# KiCad board NF-Grundplatte.kicad_pcb
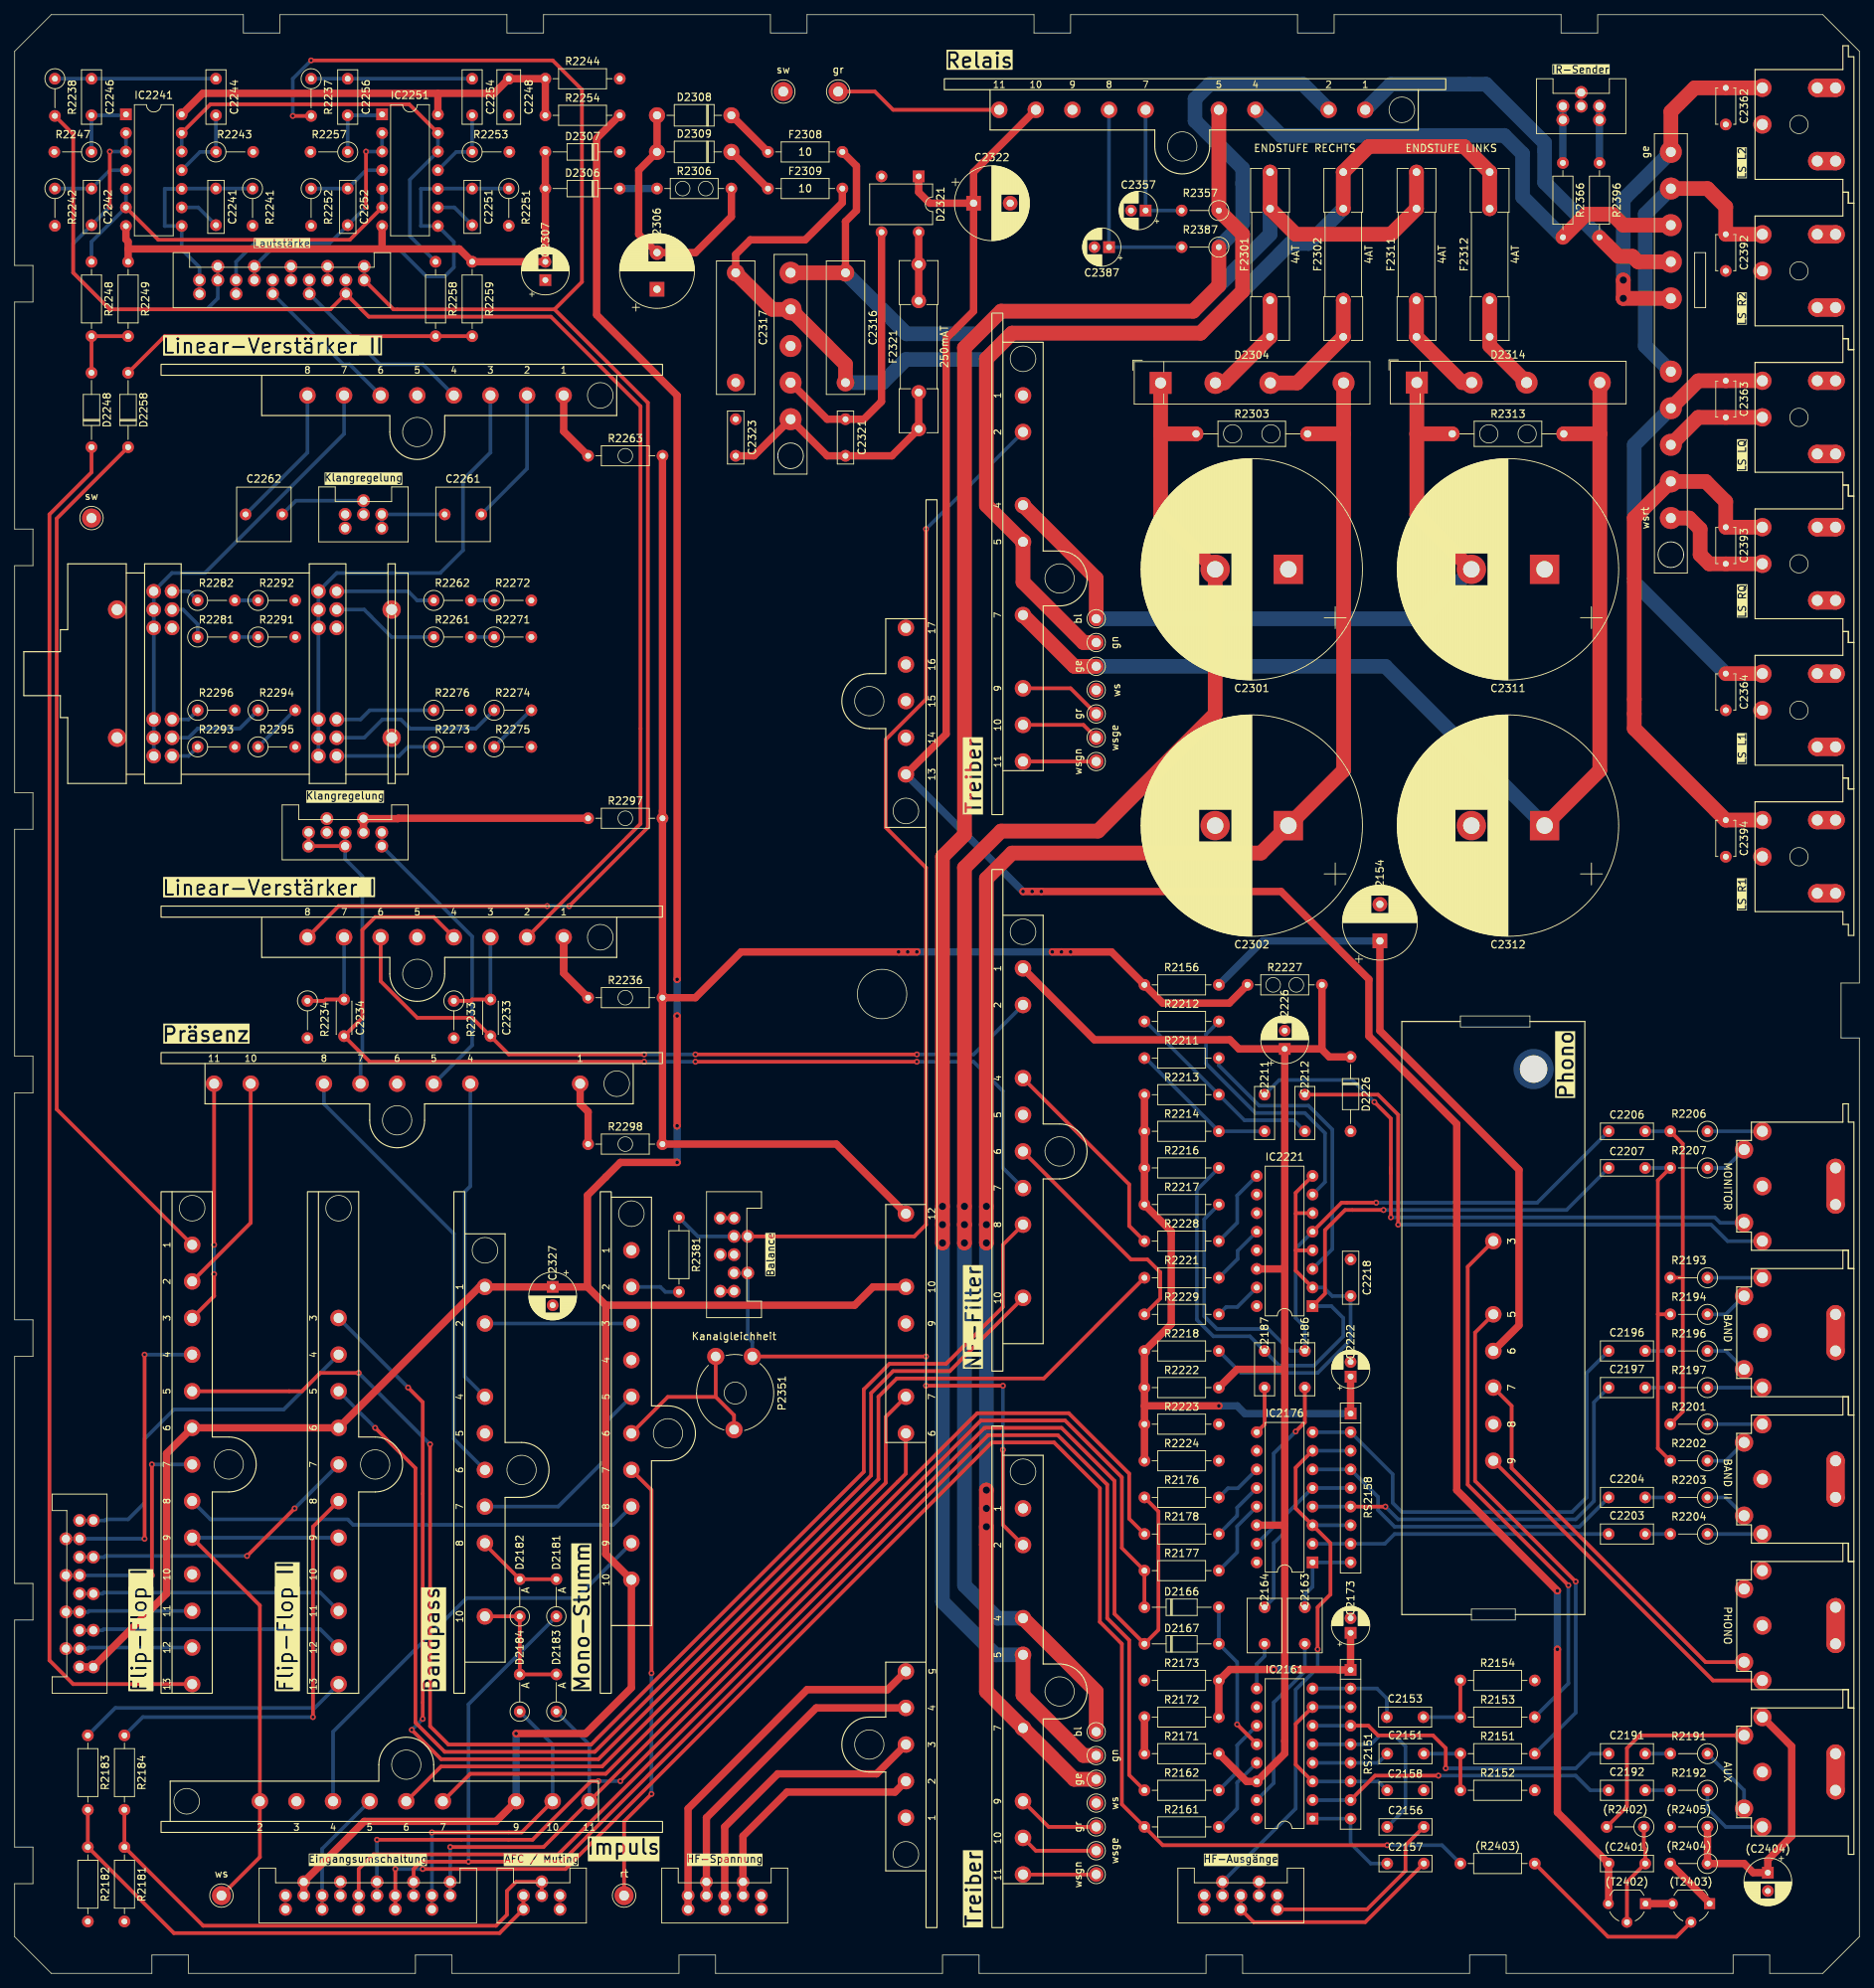
[diagram p0: board, top side]
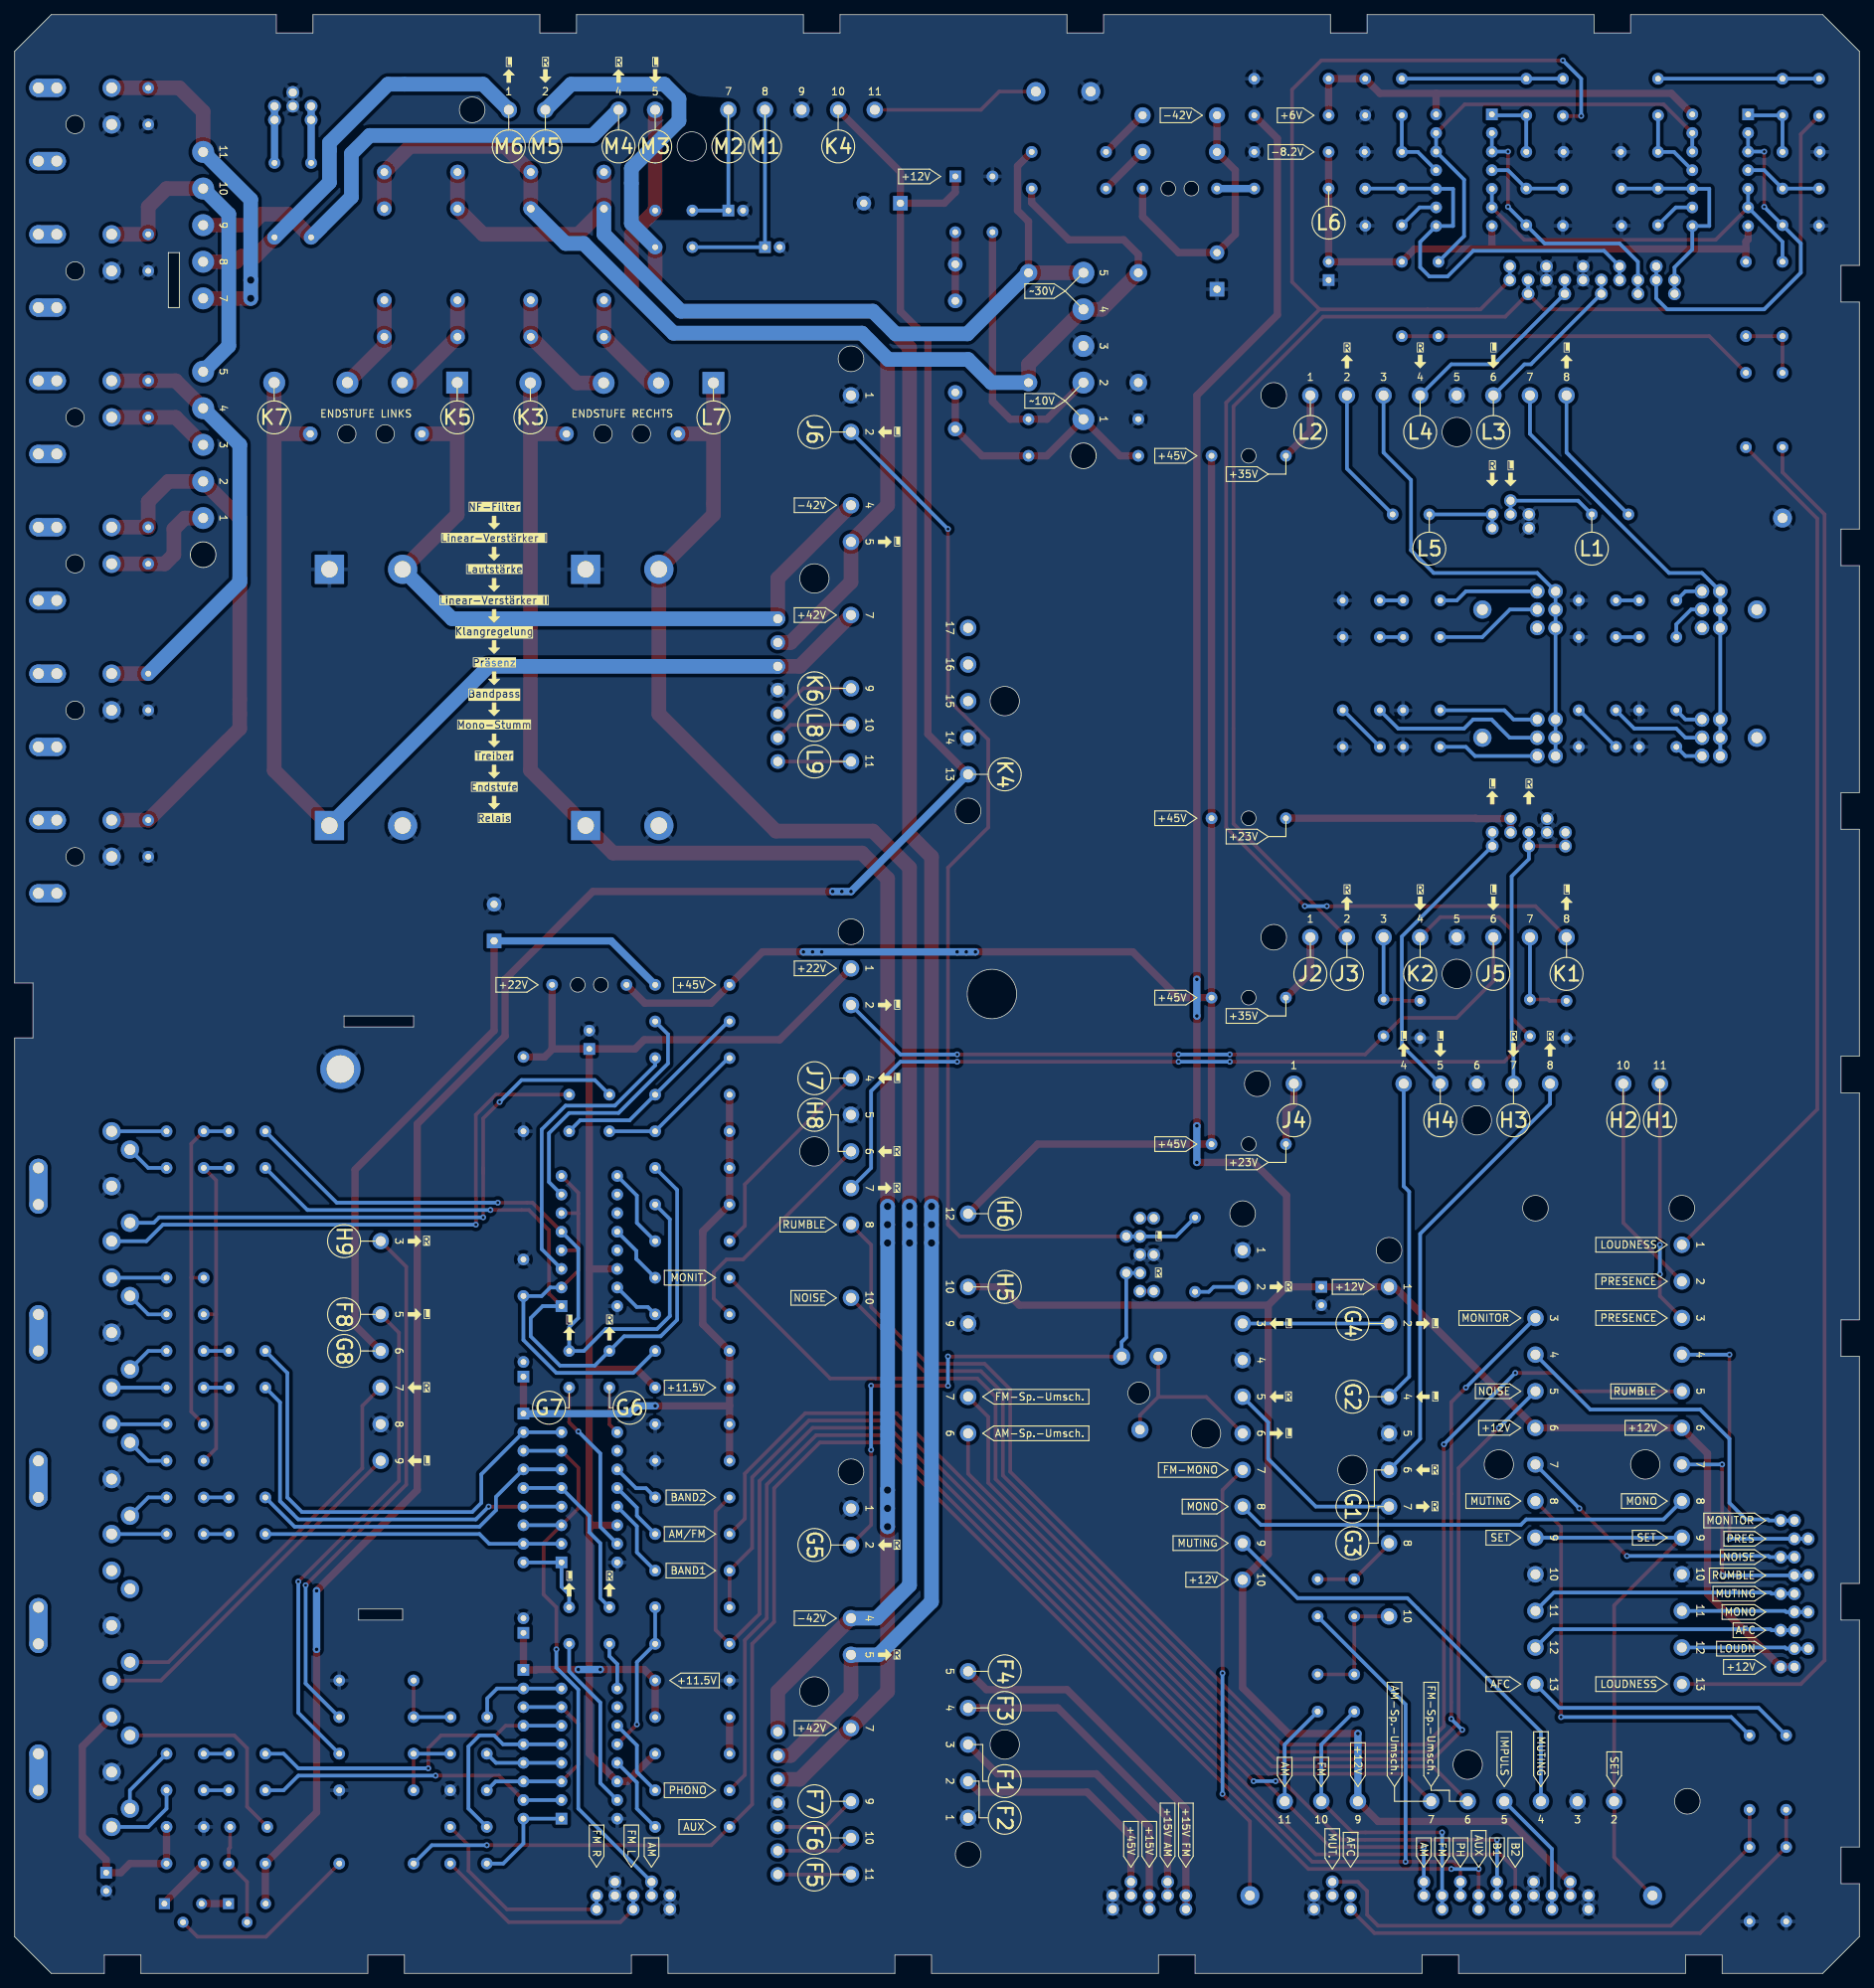
[diagram p1: board, bottom side, seen from below]

Outline 252 x 267.5 mm; copper layers: Top, Bottom. Coordinates in mm from the lower left corner of the outline.
Outline path: circle c83.42,207.25 r1 ; circle c83.42,157.75 r1 ; circle c83.42,133.25 r1 ; circle c83.42,113.25 r1 ; circle c91.25,243.75 r1 ; circle c94.41,243.75 r1 ; circle c98.42,79.25 r1.5 ; circle c118.5,133.75 r3.38 ; circle c166.38,210.25 r1.25 ; circle c171.62,210.25 r1.25 ; circle c171.92,135 r1 ; circle c175.08,135 r1 ; circle c201.38,210.25 r1.25 ; circle c206.62,210.25 r1.25 ; 0,262.5 0,233.25 2.5,233.25 2.5,228.25 0,228.25 0,197.25 2.5,197.25 2.5,192.25 0,192.25 0,161.25 2.5,161.25 2.5,156.25 0,156.25 0,125.25 2.5,125.25 2.5,120.25 0,120.25 0,89.25 2.5,89.25 2.5,84.25 0,84.25 0,53.25 2.5,53.25 2.5,48.25 0,48.25 0,17.25 2.5,17.25 2.5,12.25 0,12.25 0,5 5,0 18.75,0 18.75,2.5 23.75,2.5 23.75,0 54.75,0 54.75,2.5 59.75,2.5 59.75,0 90.75,0 90.75,2.5 95.75,2.5 95.75,0 126.75,0 126.75,2.5 131.75,2.5 131.75,0 162.75,0 162.75,2.5 167.75,2.5 167.75,0 198.75,0 198.75,2.5 203.75,2.5 203.75,0 234.75,0 234.75,2.5 239.75,2.5 239.75,0 247,0 252,5 252,127.75 249.5,127.75 249.5,135.25 252,135.25 252,262.5 247,267.5 216.25,267.5 216.25,265 211.25,265 211.25,267.5 180.25,267.5 180.25,265 175.25,265 175.25,267.5 144.25,267.5 144.25,265 139.25,265 139.25,267.5 108.25,267.5 108.25,265 103.25,265 103.25,267.5 72.25,267.5 72.25,265 67.25,265 67.25,267.5 36.25,267.5 36.25,265 31.25,265 31.25,267.5 5,267.5 0,262.5

## Placement (name value [footprint] x y rotation side)
C2151  330n  [C_Rect_L7.0mm_W2.5mm_P5.00mm]  187.5 30 0 top
C2153  330n  [C_Rect_L7.0mm_W2.5mm_P5.00mm]  187.45 35 0 top
C2154  220µ  [CP_Radial_D10.0mm_P5.00mm]  186.5 141 90 top
C2156  100n  [C_Rect_L7.0mm_W2.0mm_P5.00mm]  187.5 20 0 top
C2157  100n  [C_Rect_L7.0mm_W2.0mm_P5.00mm]  187.5 15 0 top
C2158  100n  [C_Rect_L7.0mm_W2.0mm_P5.00mm]  187.5 25 0 top
C2163  1µ  [C_Rect_L7.2mm_W4.5mm_P5.00mm_FKS2_FKP2_MKS2_MKP2]  176.25 45 90 top
C2164  1µ  [C_Rect_L7.2mm_W4.5mm_P5.00mm_FKS2_FKP2_MKS2_MKP2]  170.75 45 90 top
C2173  10µ  [CP_Radial_D5.0mm_P2.00mm]  182.5 46.5 90 top
C2186  330n  [C_Rect_L7.0mm_W2.5mm_P5.00mm]  176.25 80 90 top
C2187  330n  [C_Rect_L7.0mm_W2.5mm_P5.00mm]  170.75 80 90 top
C2191  330n  [C_Rect_L7.0mm_W2.5mm_P5.00mm]  222.75 30 180 top
C2192  330n  [C_Rect_L7.0mm_W2.5mm_P5.00mm]  222.75 25 180 top
C2196  330n  [C_Rect_L7.0mm_W2.5mm_P5.00mm]  222.75 85 180 top
C2197  330n  [C_Rect_L7.0mm_W2.5mm_P5.00mm]  222.75 80 180 top
C2203  330n  [C_Rect_L7.0mm_W2.5mm_P5.00mm]  222.75 60 180 top
C2204  330n  [C_Rect_L7.0mm_W2.5mm_P5.00mm]  222.75 65 180 top
C2206  100n  [C_Rect_L7.0mm_W2.0mm_P5.00mm]  222.75 115 180 top
C2207  100n  [C_Rect_L7.0mm_W2.0mm_P5.00mm]  222.75 110 180 top
C2211  330n  [C_Rect_L7.0mm_W2.5mm_P5.00mm]  170.75 120 270 top
C2212  330n  [C_Rect_L7.0mm_W2.5mm_P5.00mm]  176.25 120 270 top
C2218  100n  [C_Rect_L7.0mm_W2.0mm_P5.00mm]  182.5 92.5 90 top
C2222  22µ  [CP_Radial_D5.0mm_P2.00mm]  182.5 81.5 90 top
C2226  47µ  [CP_Radial_D6.3mm_P2.50mm]  173.5 126.25 90 top
C2233  10p  [C_Disc_D4.3mm_W1.9mm_P5.00mm]  65 128 90 top
C2234  10p  [C_Disc_D4.3mm_W1.9mm_P5.00mm]  45 128 90 top
C2241  47n  [C_Rect_L7.0mm_W2.0mm_P5.00mm]  27.5 238.75 90 top
C2242  100n  [C_Rect_L7.0mm_W2.0mm_P5.00mm]  10.5 238.75 90 top
C2244  470p  [C_Rect_L7.2mm_W2.5mm_P5.00mm_FKS2_FKP2_MKS2_MKP2]  27.5 258.75 270 top
C2246  100p  [C_Rect_L7.2mm_W2.5mm_P5.00mm_FKS2_FKP2_MKS2_MKP2]  10.5 258.75 270 top
C2248  220n  [C_Rect_L7.2mm_W3.0mm_P5.00mm_FKS2_FKP2_MKS2_MKP2]  67.5 258.75 270 top
C2251  47n  [C_Rect_L7.0mm_W2.0mm_P5.00mm]  62.5 238.75 90 top
C2252  100n  [C_Rect_L7.0mm_W2.0mm_P5.00mm]  45.5 238.75 90 top
C2254  470p  [C_Rect_L7.2mm_W2.5mm_P5.00mm_FKS2_FKP2_MKS2_MKP2]  62.5 258.75 270 top
C2256  100p  [C_Rect_L7.2mm_W2.5mm_P5.00mm_FKS2_FKP2_MKS2_MKP2]  45.5 258.75 270 top
C2261  2.2µ  [C_Rect_L7.2mm_W7.2mm_P5.00mm_FKS2_FKP2_MKS2_MKP2]  58.75 199.25 0 top
C2262  2.2µ  [C_Rect_L7.2mm_W7.2mm_P5.00mm_FKS2_FKP2_MKS2_MKP2]  36.55 199.25 180 top
C2301  3300µ  [CP_Radial_D30.0mm_P10.00mm_SnapIn]  174 191.75 180 top
C2302  3300µ  [CP_Radial_D30.0mm_P10.00mm_SnapIn]  174 156.75 180 top
C2306  100µ  [CP_Radial_D10.0mm_P5.00mm]  87.75 230 90 top
C2307  47µ  [CP_Radial_D6.3mm_P2.50mm]  72.5 231.25 90 top
C2311  3300µ  [CP_Radial_D30.0mm_P10.00mm_SnapIn]  209 191.75 180 top
C2312  3300µ  [CP_Radial_D30.0mm_P10.00mm_SnapIn]  209 156.75 180 top
C2316  330n  [C_Rect_L18.0mm_W5.0mm_P15.00mm_FKS3_FKP3]  113.5 217.25 90 top
C2317  330n  [C_Rect_L18.0mm_W5.0mm_P15.00mm_FKS3_FKP3]  98.5 232.25 270 top
C2321  100n  [C_Rect_L7.0mm_W2.0mm_P5.00mm]  113.5 207.25 90 top
C2322  470µ  [CP_Radial_D10.0mm_P5.00mm]  131 241.75 0 top
C2323  100n  [C_Rect_L7.0mm_W2.0mm_P5.00mm]  98.5 207.25 90 top
C2327  100µ  [CP_Radial_D6.3mm_P2.50mm]  73.5 93.75 270 top
C2357  22µ  [CP_Radial_D5.0mm_P2.00mm]  154.5 240.75 180 top
C2362  220p  [C_Disc_D4.7mm_W2.5mm_P5.00mm]  233.75 257.5 270 top
C2363  220p  [C_Disc_D4.7mm_W2.5mm_P5.00mm]  233.75 217.5 270 top
C2364  220p  [C_Disc_D4.7mm_W2.5mm_P5.00mm]  233.75 177.5 270 top
C2387  22µ  [CP_Radial_D5.0mm_P2.00mm]  149.5 235.75 180 top
C2392  220p  [C_Disc_D4.7mm_W2.5mm_P5.00mm]  233.75 237.5 270 top
C2393  220p  [C_Disc_D4.7mm_W2.5mm_P5.00mm]  233.75 197.5 270 top
C2394  220p  [C_Disc_D4.7mm_W2.5mm_P5.00mm]  233.75 157.5 270 top
C2401  100n  [C_Rect_L7.0mm_W2.0mm_P5.00mm]  217.75 15 0 top
C2404  100µ  [CP_Radial_D6.3mm_P2.50mm]  239.5 13.75 270 top
D2166  1N4148  [D_DO-35_SOD27_P10.16mm_Horizontal]  154.34 50 0 top
D2167  1N4148  [D_DO-35_SOD27_P10.16mm_Horizontal]  154.34 45 0 top
D2181  1N4148  [D_DO-35_SOD27_P5.08mm_Vertical_AnodeUp]  74 48.75 90 top
D2182  1N4148  [D_DO-35_SOD27_P5.08mm_Vertical_AnodeUp]  69 48.75 90 top
D2183  1N4148  [D_DO-35_SOD27_P5.08mm_Vertical_AnodeUp]  74 35.75 90 top
D2184  1N4148  [D_DO-35_SOD27_P5.08mm_Vertical_AnodeUp]  69 35.75 90 top
D2226  ZPD22  [D_DO-35_SOD27_P10.16mm_Horizontal]  182.5 125.16 270 top
D2248  ZPD6.2V  [D_DO-35_SOD27_P10.16mm_Horizontal]  10.5 208.43 90 top
D2258  ZPD6.2V  [D_DO-35_SOD27_P10.16mm_Horizontal]  15.5 208.43 90 top
D2304  B80C5000-3x00A  [Diode_Bridge_32.0x5.6x17.0mm_P10.0mm_P7.5mm]  156.54 217.21 0 top
D2306  1N4148  [D_DO-35_SOD27_P10.16mm_Horizontal]  82.66 243.75 180 top
D2307  ZPD8.2  [D_DO-35_SOD27_P10.16mm_Horizontal]  82.66 248.75 180 top
D2308  1N4002  [D_DO-41_SOD81_P10.16mm_Horizontal]  97.91 253.75 180 top
D2309  1N4002  [D_DO-41_SOD81_P10.16mm_Horizontal]  97.91 248.75 180 top
D2314  B80C5000-3x00A  [Diode_Bridge_32.0x5.6x17.0mm_P10.0mm_P7.5mm]  191.54 217.25 0 top
D2321  B125C800DM  [Diode_Bridge_DIP-4_W7.62mm_P5.08mm]  123.5 245.41 270 top
F2301  4AT  [Fuseholder_Clip-5x20mm]  171.5 244.75 270 top
F2302  4AT  [Fuseholder_Clip-5x20mm]  181.5 224.75 90 top
F2308  10  [R_Axial_DIN0207_L6.3mm_D2.5mm_P10.16mm_Horizontal]  113.07 248.75 180 top
F2309  10  [R_Axial_DIN0207_L6.3mm_D2.5mm_P10.16mm_Horizontal]  113.07 243.75 180 top
F2311  4AT  [Fuseholder_Clip-5x20mm]  191.5 244.75 270 top
F2312  4AT  [Fuseholder_Clip-5x20mm]  201.5 224.75 90 top
F2321  250mAT  [Fuseholder_Clip-5x20mm]  123.5 232.16 270 top
IC2161  ~  [DIP-16_W7.62mm]  177.3 21.12 180 top
IC2176  ~  [DIP-16_W7.62mm]  177.3 56.12 180 top
IC2221  ~  [DIP-16_W7.62mm]  177.3 91.12 180 top
IC2241  4016  [DIP-14_W7.62mm]  15.2 253.88 0 top
IC2251  4016  [DIP-14_W7.62mm]  50.2 253.88 0 top
J1  Linear-Verstärker II  [Linear-Verstärker]  20 219.75 0 top
J2  Treiber L  [Treiber]  133.5 158.25 90 top
J3  -  [Flip-Flop]  20 38.25 90 top
J4  Treiber R  [Treiber]  133.5 6.25 90 top
J5  -  [NF-Filter]  133.5 82.25 90 top
J6  -  [Relais]  127 258.75 0 top
J7  Linear-Verstärker I  [Linear-Verstärker]  20 145.75 0 top
J8  -  [Präsenz]  20 125.75 0 top
J9  -  [Impuls]  88.5 19.25 180 top
J10  -  [Mono-Stumm]  80 38.25 90 top
J11  -  [Bandpass]  60 38.25 90 top
J12  Flip-Flop  [Flip-Flop#2]  40 38.25 90 top
J13  Conn_01x03  [STOCKO-MKS-1653_1753]  50.15 199.25 180 top
J14  Conn_01x03  [STOCKO-MKS-1653_1753]  216.5 255 180 top
J15  Conn_01x03  [STOCKO-MKS-1653_1753]  74.5 10.62 180 top
J16  Conn_01x10  [STOCKO-MKS-1660_1760]  59.5 10.62 180 top
J17  Conn_01x05  [STOCKO-MKS-1655_1755]  102 10.62 180 top
J18  Conn_01x01  [Pin_D1.3mm_L11.0mm]  112.5 257 0 top
J19  Conn_01x05  [STOCKO-MKS-1655_1755]  98.28 93.15 90 top
J20  Conn_01x05  [STOCKO-MKS-1655_1755]  50.15 155.82 180 top
J21  Conn_01x09  [STOCKO-MKS-1659_1759]  8.88 61.85 270 top
J22  Conn_01x10  [STOCKO-MKS-1660_1760]  47.75 231.25 180 top
J23  Conn_01x05  [Conn_01x05_5mm]  106 212.25 90 top
J24  Conn_01x11  [Conn_01x11_5mm]  226.25 198.75 90 top
J25  -  [Phono]  214.5 130 270 top
J26  MONITOR  [Source_DIN-41524]  238.75 112.5 270 top
J27  BAND I  [Source_DIN-41524]  238.75 92.5 270 top
J28  BAND II  [Source_DIN-41524]  238.75 72.5 270 top
J29  PHONO  [Source_DIN-41524]  238.75 52.5 270 top
J30  AUX  [Source_DIN-41524]  238.75 32.5 270 top
J31  -  [Netzteil]  126 201.25 270 top
J32  Conn_01x01  [Pin_D1.3mm_L11.0mm]  83.25 10.62 0 top
J33  Conn_01x01  [Pin_D1.0mm_L10.0mm]  147.75 181.75 180 top
J34  Conn_01x01  [Pin_D1.0mm_L10.0mm]  147.75 165.5 180 top
J35  Conn_01x01  [Pin_D1.0mm_L10.0mm]  147.75 172 180 top
J36  Conn_01x01  [Pin_D1.0mm_L10.0mm]  147.75 168.75 180 top
J37  Conn_01x01  [Pin_D1.0mm_L10.0mm]  147.75 175.25 180 top
J38  Conn_01x01  [Pin_D1.0mm_L10.0mm]  147.75 178.5 180 top
J39  Conn_01x01  [Pin_D1.0mm_L10.0mm]  147.75 185 180 top
J40  Conn_01x01  [Pin_D1.0mm_L10.0mm]  147.75 13.5 0 top
J41  Conn_01x01  [Pin_D1.0mm_L10.0mm]  147.75 20 0 top
J42  Conn_01x01  [Pin_D1.0mm_L10.0mm]  147.75 16.75 0 top
J43  Conn_01x01  [Pin_D1.0mm_L10.0mm]  147.75 29.75 0 top
J44  Conn_01x01  [Pin_D1.0mm_L10.0mm]  147.75 26.5 0 top
J45  Conn_01x01  [Pin_D1.0mm_L10.0mm]  147.75 23.25 0 top
J46  Conn_01x01  [Pin_D1.0mm_L10.0mm]  147.75 33 0 top
J47  Conn_01x01  [Pin_D1.3mm_L11.0mm]  28.25 10.62 0 top
J48  Conn_01x01  [Pin_D1.3mm_L11.0mm]  10.5 198.75 0 top
J49  Conn_01x01  [Pin_D1.3mm_L11.0mm]  105 257 0 top
LS1  Links 2  [Speaker_DIN-41529_730311]  238.75 257.5 270 top
LS2  Rechts 2  [Speaker_DIN-41529_730311]  238.75 237.5 270 top
LS3  Quadro Links  [Speaker_DIN-41529_730311]  238.75 217.5 270 top
LS4  Quadro Rechts  [Speaker_DIN-41529_730311]  238.75 197.5 270 top
LS5  Links 1  [Speaker_DIN-41529_730311]  238.75 177.5 270 top
LS6  Rechts 1  [Speaker_DIN-41529_730311]  238.75 157.5 270 top
NOREF  -  [0dc2f033-525d-41ae-9787-ae3243d4dfcd]  50 138.75 0 top
NOREF#2  -  [0dc2f033-525d-41ae-9787-ae3243d4dfcd]  75 212.75 0 top
NOREF#3  -  [0dc2f033-525d-41ae-9787-ae3243d4dfcd]  60 138.75 0 top
NOREF#4  -  [0dc2f033-525d-41ae-9787-ae3243d4dfcd]  58.75 196.82 0 top
NOREF#5  -  [0dc2f033-525d-41ae-9787-ae3243d4dfcd]  40 138.75 0 top
NOREF#6  -  [0dc2f033-525d-41ae-9787-ae3243d4dfcd]  139.5 251.75 0 top
NOREF#7  -  [0dc2f033-525d-41ae-9787-ae3243d4dfcd]  216.54 214.75 0 top
NOREF#8  -  [0dc2f033-525d-41ae-9787-ae3243d4dfcd]  60 212.75 0 top
NOREF#9  -  [0dc2f033-525d-41ae-9787-ae3243d4dfcd]  75 138.75 0 top
NOREF#10  -  [0dc2f033-525d-41ae-9787-ae3243d4dfcd]  70 138.75 0 top
NOREF#11  -  [0dc2f033-525d-41ae-9787-ae3243d4dfcd]  191.54 214.75 0 top
NOREF#12  -  [0dc2f033-525d-41ae-9787-ae3243d4dfcd]  181.54 214.75 0 top
NOREF#13  -  [0dc2f033-525d-41ae-9787-ae3243d4dfcd]  156.54 214.75 0 top
NOREF#14  -  [0dc2f033-525d-41ae-9787-ae3243d4dfcd]  50 212.75 0 top
NOREF#15  -  [0dc2f033-525d-41ae-9787-ae3243d4dfcd]  36.55 196.82 0 top
NOREF#16  -  [0dc2f033-525d-41ae-9787-ae3243d4dfcd]  72.5 241.35 0 top
P2351  25k  [Potentiometer_Piher_PT-10-V10_Vertical]  95.78 84.25 270 top
R2151  33k  [R_Axial_DIN0207_L6.3mm_D2.5mm_P10.16mm_Horizontal]  207.66 30 180 top
R2152  100k  [R_Axial_DIN0207_L6.3mm_D2.5mm_P10.16mm_Horizontal]  197.5 25 0 top
R2153  33k  [R_Axial_DIN0207_L6.3mm_D2.5mm_P10.16mm_Horizontal]  207.66 35 180 top
R2154  100k  [R_Axial_DIN0207_L6.3mm_D2.5mm_P10.16mm_Horizontal]  197.5 40 0 top
R2156  5.6k  [R_Axial_DIN0207_L6.3mm_D2.5mm_P10.16mm_Horizontal]  154.34 135 0 top
R2161  3.3k  [R_Axial_DIN0207_L6.3mm_D2.5mm_P10.16mm_Horizontal]  164.5 20 180 top
R2162  3.3k  [R_Axial_DIN0207_L6.3mm_D2.5mm_P10.16mm_Horizontal]  164.5 25 180 top
R2171  8.2k  [R_Axial_DIN0207_L6.3mm_D2.5mm_P10.16mm_Horizontal]  154.34 30 0 top
R2172  1k  [R_Axial_DIN0207_L6.3mm_D2.5mm_P10.16mm_Horizontal]  154.34 35 0 top
R2173  10k  [R_Axial_DIN0207_L6.3mm_D2.5mm_P10.16mm_Horizontal]  164.5 40 180 top
R2176  3.3k  [R_Axial_DIN0207_L6.3mm_D2.5mm_P10.16mm_Horizontal]  164.5 65 180 top
R2177  3.3k  [R_Axial_DIN0207_L6.3mm_D2.5mm_P10.16mm_Horizontal]  164.5 55 180 top
R2178  3.3k  [R_Axial_DIN0207_L6.3mm_D2.5mm_P10.16mm_Horizontal]  164.5 60 180 top
R2181  10k  [R_Axial_DIN0207_L6.3mm_D2.5mm_P10.16mm_Horizontal]  15 17.25 270 top
R2182  10k  [R_Axial_DIN0207_L6.3mm_D2.5mm_P10.16mm_Horizontal]  10 17.25 270 top
R2183  10k  [R_Axial_DIN0207_L6.3mm_D2.5mm_P10.16mm_Horizontal]  10 32.5 270 top
R2184  10k  [R_Axial_DIN0207_L6.3mm_D2.5mm_P10.16mm_Horizontal]  15 32.5 270 top
R2191  5.6k  [R_Axial_DIN0207_L6.3mm_D2.5mm_P5.08mm_Vertical]  231.25 30 180 top
R2192  5.6k  [R_Axial_DIN0207_L6.3mm_D2.5mm_P5.08mm_Vertical]  231.25 25 180 top
R2193  330k  [R_Axial_DIN0207_L6.3mm_D2.5mm_P5.08mm_Vertical]  231.25 95 180 top
R2194  330k  [R_Axial_DIN0207_L6.3mm_D2.5mm_P5.08mm_Vertical]  231.25 90 180 top
R2196  5.6k  [R_Axial_DIN0207_L6.3mm_D2.5mm_P5.08mm_Vertical]  231.25 85 180 top
R2197  5.6k  [R_Axial_DIN0207_L6.3mm_D2.5mm_P5.08mm_Vertical]  231.25 80 180 top
R2201  330k  [R_Axial_DIN0207_L6.3mm_D2.5mm_P5.08mm_Vertical]  231.25 75 180 top
R2202  330k  [R_Axial_DIN0207_L6.3mm_D2.5mm_P5.08mm_Vertical]  231.25 70 180 top
R2203  5.6k  [R_Axial_DIN0207_L6.3mm_D2.5mm_P5.08mm_Vertical]  231.25 65 180 top
R2204  5.6k  [R_Axial_DIN0207_L6.3mm_D2.5mm_P5.08mm_Vertical]  231.25 60 180 top
R2206  47k  [R_Axial_DIN0207_L6.3mm_D2.5mm_P5.08mm_Vertical]  231.25 115 180 top
R2207  47k  [R_Axial_DIN0207_L6.3mm_D2.5mm_P5.08mm_Vertical]  231.25 110 180 top
R2211  5.6k  [R_Axial_DIN0207_L6.3mm_D2.5mm_P10.16mm_Horizontal]  154.34 125 0 top
R2212  5.6k  [R_Axial_DIN0207_L6.3mm_D2.5mm_P10.16mm_Horizontal]  154.34 130 0 top
R2213  470k  [R_Axial_DIN0207_L6.3mm_D2.5mm_P10.16mm_Horizontal]  154.34 120 0 top
R2214  470k  [R_Axial_DIN0207_L6.3mm_D2.5mm_P10.16mm_Horizontal]  154.34 115 0 top
R2216  470k  [R_Axial_DIN0207_L6.3mm_D2.5mm_P10.16mm_Horizontal]  154.34 110 0 top
R2217  470k  [R_Axial_DIN0207_L6.3mm_D2.5mm_P10.16mm_Horizontal]  154.34 105 0 top
R2218  120k  [R_Axial_DIN0207_L6.3mm_D2.5mm_P10.16mm_Horizontal]  154.34 85 0 top
R2221  3.3k  [R_Axial_DIN0207_L6.3mm_D2.5mm_P10.16mm_Horizontal]  164.5 95 180 top
R2222  10k  [R_Axial_DIN0207_L6.3mm_D2.5mm_P10.16mm_Horizontal]  164.5 80 180 top
R2223  22k  [R_Axial_DIN0207_L6.3mm_D2.5mm_P10.16mm_Horizontal]  154.34 75 0 top
R2224  22k  [R_Axial_DIN0207_L6.3mm_D2.5mm_P10.16mm_Horizontal]  154.34 70 0 top
R2227  1.5k  [R_Axial_DIN0207_L6.3mm_D2.5mm_P10.16mm_Horizontal]  168.42 135 0 top
R2228  1k  [R_Axial_DIN0207_L6.3mm_D2.5mm_P10.16mm_Horizontal]  164.5 100 180 top
R2229  1k  [R_Axial_DIN0207_L6.3mm_D2.5mm_P10.16mm_Horizontal]  164.5 90 180 top
R2233  15k  [R_Axial_DIN0207_L6.3mm_D2.5mm_P5.08mm_Vertical]  60 132.81 270 top
R2234  15k  [R_Axial_DIN0207_L6.3mm_D2.5mm_P5.08mm_Vertical]  40 132.81 270 top
R2236  1k  [R_Axial_DIN0207_L6.3mm_D2.5mm_P10.16mm_Horizontal]  88.5 133.25 180 top
R2237  47k  [R_Axial_DIN0207_L6.3mm_D2.5mm_P5.08mm_Vertical]  40.5 258.75 270 top
R2238  47k  [R_Axial_DIN0207_L6.3mm_D2.5mm_P5.08mm_Vertical]  5.5 258.75 270 top
R2241  12k  [R_Axial_DIN0207_L6.3mm_D2.5mm_P5.08mm_Vertical]  32.5 243.75 270 top
R2242  6.8k  [R_Axial_DIN0207_L6.3mm_D2.5mm_P5.08mm_Vertical]  5.5 243.75 270 top
R2243  220k  [R_Axial_DIN0207_L6.3mm_D2.5mm_P5.08mm_Vertical]  27.5 248.75 0 top
R2244  2.2k  [R_Axial_DIN0207_L6.3mm_D2.5mm_P10.16mm_Horizontal]  72.5 258.75 0 top
R2247  220k  [R_Axial_DIN0207_L6.3mm_D2.5mm_P5.08mm_Vertical]  10.5 248.75 180 top
R2248  1k  [R_Axial_DIN0207_L6.3mm_D2.5mm_P10.16mm_Horizontal]  10.5 233.75 270 top
R2249  47k  [R_Axial_DIN0207_L6.3mm_D2.5mm_P10.16mm_Horizontal]  15.5 233.75 270 top
R2251  12k  [R_Axial_DIN0207_L6.3mm_D2.5mm_P5.08mm_Vertical]  67.5 243.75 270 top
R2252  6.8k  [R_Axial_DIN0207_L6.3mm_D2.5mm_P5.08mm_Vertical]  40.5 243.75 270 top
R2253  220k  [R_Axial_DIN0207_L6.3mm_D2.5mm_P5.08mm_Vertical]  62.5 248.75 0 top
R2254  2.2k  [R_Axial_DIN0207_L6.3mm_D2.5mm_P10.16mm_Horizontal]  82.66 253.75 180 top
R2257  220k  [R_Axial_DIN0207_L6.3mm_D2.5mm_P5.08mm_Vertical]  45.5 248.75 180 top
R2258  1k  [R_Axial_DIN0207_L6.3mm_D2.5mm_P10.16mm_Horizontal]  57.5 233.75 270 top
R2259  47k  [R_Axial_DIN0207_L6.3mm_D2.5mm_P10.16mm_Horizontal]  62.5 233.75 270 top
R2261  1.8k  [R_Axial_DIN0207_L6.3mm_D2.5mm_P5.08mm_Vertical]  57.25 182.5 0 top
R2262  1k  [R_Axial_DIN0207_L6.3mm_D2.5mm_P5.08mm_Vertical]  57.25 187.5 0 top
R2263  1k  [R_Axial_DIN0207_L6.3mm_D2.5mm_P10.16mm_Horizontal]  88.5 207.25 180 top
R2271  22k  [R_Axial_DIN0207_L6.3mm_D2.5mm_P5.08mm_Vertical]  65.5 182.5 0 top
R2272  8.2k  [R_Axial_DIN0207_L6.3mm_D2.5mm_P5.08mm_Vertical]  65.5 187.5 0 top
R2273  4.7k  [R_Axial_DIN0207_L6.3mm_D2.5mm_P5.08mm_Vertical]  57.25 167.5 0 top
R2274  390  [R_Axial_DIN0207_L6.3mm_D2.5mm_P5.08mm_Vertical]  65.5 172.5 0 top
R2275  2.2k  [R_Axial_DIN0207_L6.3mm_D2.5mm_P5.08mm_Vertical]  65.5 167.5 0 top
R2276  1.5k  [R_Axial_DIN0207_L6.3mm_D2.5mm_P5.08mm_Vertical]  57.25 172.5 0 top
R2281  1.8k  [R_Axial_DIN0207_L6.3mm_D2.5mm_P5.08mm_Vertical]  25 182.5 0 top
R2282  1k  [R_Axial_DIN0207_L6.3mm_D2.5mm_P5.08mm_Vertical]  25 187.5 0 top
R2291  22k  [R_Axial_DIN0207_L6.3mm_D2.5mm_P5.08mm_Vertical]  33.25 182.5 0 top
R2292  8.2k  [R_Axial_DIN0207_L6.3mm_D2.5mm_P5.08mm_Vertical]  33.25 187.5 0 top
R2293  4.7k  [R_Axial_DIN0207_L6.3mm_D2.5mm_P5.08mm_Vertical]  25 167.5 0 top
R2294  390  [R_Axial_DIN0207_L6.3mm_D2.5mm_P5.08mm_Vertical]  33.25 172.5 0 top
R2295  2.2k  [R_Axial_DIN0207_L6.3mm_D2.5mm_P5.08mm_Vertical]  33.25 167.5 0 top
R2296  1.5k  [R_Axial_DIN0207_L6.3mm_D2.5mm_P5.08mm_Vertical]  25 172.5 0 top
R2297  2.2k  [R_Axial_DIN0207_L6.3mm_D2.5mm_P10.16mm_Horizontal]  88.5 157.75 180 top
R2298  4.7k  [R_Axial_DIN0207_L6.3mm_D2.5mm_P10.16mm_Horizontal]  88.5 113.25 180 top
R2303  22k  [R_Axial_DIN0309_L9.0mm_D3.2mm_P15.24mm_Horizontal]  176.62 210.25 180 top
R2306  4.7k  [R_Axial_DIN0207_L6.3mm_D2.5mm_P10.16mm_Horizontal]  97.91 243.75 180 top